# KiCad board ddr5-testboard.kicad_pcb (continued)
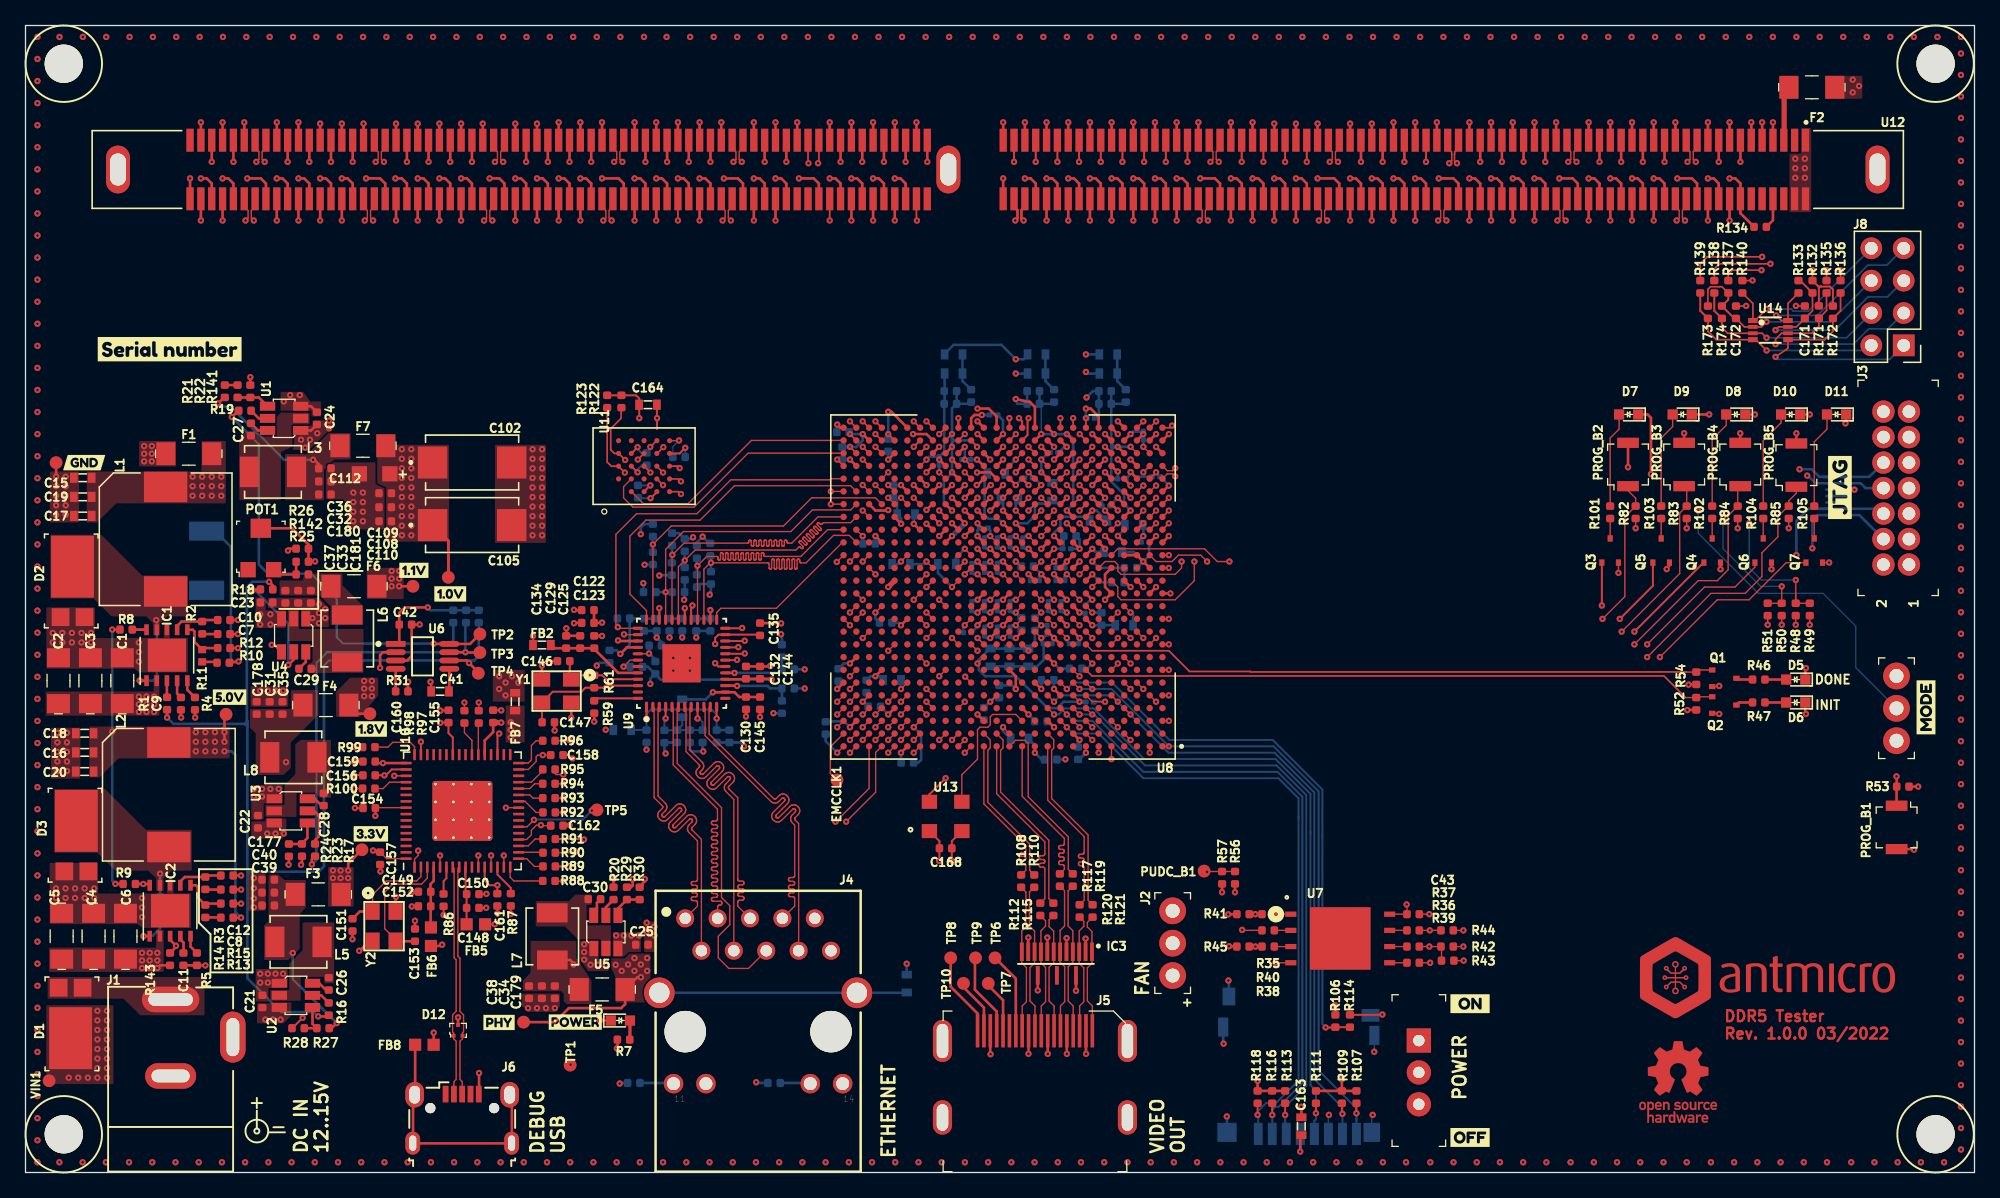
[diagram p0: board, top side]
## Routing (per net, layer and track width the routed paths; a pad name or vN(x,y) marks a point on that pad's centre or on a via; arc(x,y) is an arc through that point) (continued)
CB6_A: length 36.4
  Top w0.13: U8.AF7 v3(83.14,59.19)
  Top w0.2: U12.203 v3(90.25,74.7)
  In5.Cu w0.127: v3(83.14,59.19) 86.89,62.94 89.89,62.94 90.25,63.3 90.25,68.66 90.25,68.69 90.24,68.72 90.22,68.74 90.2,68.76 90.18,68.78 90.15,68.79 90.12,68.79 89.99,68.79 89.96,68.79 89.94,68.8 89.91,68.82 89.89,68.84 89.88,68.86 89.87,68.89 89.86,68.92 89.87,68.94 89.88,68.97 89.89,69 89.91,69.02 89.94,69.03 89.96,69.04 89.99,69.04 90.51,69.04 90.54,69.05 90.56,69.06 90.59,69.07 90.61,69.09 90.62,69.11 90.63,69.14 90.64,69.17 90.63,69.2 90.62,69.23 90.61,69.25 90.59,69.27 90.56,69.28 90.54,69.29 90.51,69.3 89.99,69.3 89.96,69.3 89.94,69.31 89.91,69.32 89.89,69.34 89.88,69.37 89.87,69.4 89.86,69.42 89.87,69.45 89.88,69.48 89.89,69.5 89.91,69.52 89.94,69.54 89.96,69.55 89.99,69.55 90.51,69.55 90.54,69.55 90.56,69.56 90.59,69.58 90.61,69.6 90.62,69.62 90.63,69.65 90.64,69.68 90.63,69.71 90.62,69.73 90.61,69.76 90.59,69.78 90.56,69.79 90.54,69.8 90.51,69.81 89.99,69.81 89.96,69.81 89.94,69.82 89.91,69.83 89.89,69.85 89.88,69.88 89.87,69.9 89.86,69.93 89.87,69.96 89.88,69.99 89.89,70.01 89.91,70.03 89.94,70.05 89.96,70.06 89.99,70.06 90.51,70.06 90.54,70.06 90.56,70.07 90.59,70.09 90.61,70.11 90.62,70.13 90.63,70.16 90.64,70.19 90.63,70.21 90.62,70.24 90.61,70.27 90.59,70.29 90.56,70.3 90.54,70.31 90.51,70.31 89.99,70.31 89.96,70.32 89.94,70.33 89.91,70.34 89.89,70.36 89.88,70.38 89.87,70.41 89.86,70.44 89.87,70.47 89.88,70.5 89.89,70.52 89.91,70.54 89.94,70.55 89.96,70.56 89.99,70.57 90.51,70.57 90.54,70.57 90.56,70.58 90.59,70.59 90.61,70.61 90.62,70.64 90.63,70.67 90.64,70.69 90.63,70.72 90.62,70.75 90.61,70.77 90.59,70.79 90.56,70.81 90.54,70.82 90.51,70.82 89.99,70.82 89.96,70.82 89.94,70.83 89.91,70.85 89.89,70.87 89.88,70.89 89.87,70.92 89.86,70.95 89.87,70.98 89.88,71 89.89,71.03 89.91,71.05 89.94,71.06 89.96,71.07 89.99,71.08 90.51,71.08 90.54,71.08 90.56,71.09 90.59,71.1 90.61,71.12 90.62,71.15 90.63,71.17 90.64,71.2 90.63,71.23 90.62,71.26 90.61,71.28 90.59,71.3 90.56,71.32 90.54,71.33 90.51,71.33 89.99,71.33 89.96,71.33 89.94,71.34 89.91,71.36 89.89,71.38 89.88,71.4 89.87,71.43 89.86,71.46 89.87,71.48 89.88,71.51 89.89,71.54 89.91,71.56 89.94,71.57 89.96,71.58 89.99,71.58 90.51,71.58 90.54,71.59 90.56,71.6 90.59,71.61 90.61,71.63 90.62,71.65 90.63,71.68 90.64,71.71 90.63,71.74 90.62,71.77 90.61,71.79 90.59,71.81 90.56,71.82 90.54,71.83 90.51,71.84 89.99,71.84 89.96,71.84 89.94,71.85 89.91,71.86 89.89,71.88 89.88,71.91 89.87,71.94 89.86,71.96 89.87,71.99 89.88,72.02 89.89,72.04 89.91,72.06 89.94,72.08 89.96,72.09 89.99,72.09 90.51,72.09 90.54,72.09 90.56,72.1 90.59,72.12 90.61,72.14 90.62,72.16 90.63,72.19 90.64,72.22 90.63,72.25 90.62,72.27 90.61,72.3 90.59,72.32 90.56,72.33 90.54,72.34 90.51,72.34 89.99,72.34 89.96,72.35 89.94,72.36 89.91,72.37 89.89,72.39 89.88,72.42 89.87,72.44 89.86,72.47 89.87,72.5 89.88,72.53 89.89,72.55 89.91,72.57 89.94,72.59 89.96,72.6 89.99,72.6 90.51,72.6 90.54,72.6 90.56,72.61 90.59,72.63 90.61,72.65 90.62,72.67 90.63,72.7 90.64,72.73 90.63,72.75 90.62,72.78 90.61,72.81 90.59,72.83 90.56,72.84 90.54,72.85 90.51,72.85 89.99,72.85 89.96,72.86 89.94,72.87 89.91,72.88 89.89,72.9 89.88,72.92 89.87,72.95 89.86,72.98 89.87,73.01 89.88,73.04 89.89,73.06 89.91,73.08 89.94,73.09 89.96,73.1 89.99,73.11 90.51,73.11 90.54,73.11 90.56,73.12 90.59,73.13 90.61,73.15 90.62,73.18 90.63,73.21 90.64,73.23 90.63,73.26 90.62,73.29 90.61,73.31 90.59,73.33 90.56,73.35 90.54,73.36 90.51,73.36 89.99,73.36 89.96,73.36 89.94,73.37 89.91,73.39 89.89,73.41 89.88,73.43 89.87,73.46 89.86,73.49 89.87,73.52 89.88,73.54 89.89,73.57 89.91,73.59 89.94,73.6 89.96,73.61 89.99,73.62 90.51,73.62 90.54,73.62 90.56,73.63 90.59,73.64 90.61,73.66 90.62,73.69 90.63,73.71 90.64,73.74 90.63,73.77 90.62,73.8 90.61,73.82 90.59,73.84 90.56,73.86 90.54,73.87 90.51,73.87 89.99,73.87 89.96,73.87 89.94,73.88 89.91,73.9 89.89,73.92 89.88,73.94 89.87,73.97 89.86,74 89.87,74.02 89.88,74.05 89.89,74.08 89.91,74.1 89.94,74.11 89.96,74.12 89.99,74.12 90.12,74.12 90.15,74.13 90.18,74.14 90.2,74.15 90.22,74.17 90.24,74.19 90.25,74.22 90.25,74.25 v3(90.25,74.7)
CB6_B: length 51.7
  Top w0.127: v3(80.64,52.94) U8.AA10
  Top w0.2: U12.234 v3(58.8,74.7)
  In5.Cu w0.127: v3(80.64,52.94) U8.AA10 79.39,53.44 79.14,53.69 79.14,54.44 78.64,54.94 78.64,56.19 80.14,57.69 80.14,64.94 75.39,69.69 59.14,69.69 58.8,70.03 58.8,71.15 58.8,71.18 58.79,71.21 58.77,71.23 58.75,71.25 58.73,71.27 58.7,71.28 58.67,71.28 58.54,71.28 58.51,71.28 58.48,71.29 58.46,71.31 58.44,71.33 58.42,71.35 58.41,71.38 58.41,71.41 58.41,71.43 58.42,71.46 58.44,71.49 58.46,71.51 58.48,71.52 58.51,71.53 58.54,71.53 59.06,71.53 59.09,71.54 59.12,71.55 59.14,71.56 59.16,71.58 59.18,71.6 59.19,71.63 59.19,71.66 59.19,71.69 59.18,71.72 59.16,71.74 59.14,71.76 59.12,71.77 59.09,71.78 59.06,71.79 58.54,71.79 58.51,71.79 58.48,71.8 58.46,71.81 58.44,71.83 58.42,71.86 58.41,71.89 58.41,71.91 58.41,71.94 58.42,71.97 58.44,71.99 58.46,72.01 58.48,72.03 58.51,72.04 58.54,72.04 59.06,72.04 59.09,72.04 59.12,72.05 59.14,72.07 59.16,72.09 59.18,72.11 59.19,72.14 59.19,72.17 59.19,72.2 59.18,72.22 59.16,72.25 59.14,72.27 59.12,72.28 59.09,72.29 59.06,72.3 58.54,72.3 58.51,72.3 58.48,72.31 58.46,72.32 58.44,72.34 58.42,72.37 58.41,72.39 58.41,72.42 58.41,72.45 58.42,72.48 58.44,72.5 58.46,72.52 58.48,72.54 58.51,72.55 58.54,72.55 59.06,72.55 59.09,72.55 59.12,72.56 59.14,72.58 59.16,72.6 59.18,72.62 59.19,72.65 59.19,72.68 59.19,72.7 59.18,72.73 59.16,72.76 59.14,72.78 59.12,72.79 59.09,72.8 59.06,72.8 58.54,72.8 58.51,72.81 58.48,72.82 58.46,72.83 58.44,72.85 58.42,72.87 58.41,72.9 58.41,72.93 58.41,72.96 58.42,72.99 58.44,73.01 58.46,73.03 58.48,73.04 58.51,73.05 58.54,73.06 59.06,73.06 59.09,73.06 59.12,73.07 59.14,73.08 59.16,73.1 59.18,73.13 59.19,73.16 59.19,73.18 59.19,73.21 59.18,73.24 59.16,73.26 59.14,73.28 59.12,73.3 59.09,73.31 59.06,73.31 58.54,73.31 58.51,73.31 58.48,73.32 58.46,73.34 58.44,73.36 58.42,73.38 58.41,73.41 58.41,73.44 58.41,73.47 58.42,73.49 58.44,73.52 58.46,73.54 58.48,73.55 58.51,73.56 58.54,73.56 59.06,73.56 59.09,73.57 59.12,73.58 59.14,73.59 59.16,73.61 59.18,73.64 59.19,73.66 59.19,73.69 59.19,73.72 59.18,73.75 59.16,73.77 59.14,73.79 59.12,73.81 59.09,73.82 59.06,73.82 58.54,73.82 58.51,73.82 58.48,73.83 58.46,73.85 58.44,73.87 58.42,73.89 58.41,73.92 58.41,73.95 58.41,73.97 58.42,74 58.44,74.03 58.46,74.05 58.48,74.06 58.51,74.07 58.54,74.07 58.67,74.07 58.7,74.08 58.73,74.09 58.75,74.1 58.77,74.12 58.79,74.14 58.8,74.17 58.8,74.2 v3(58.8,74.7)
CB7_A: length 36.4
  Top w0.13: v3(80.64,53.94) U8.AA9
  Top w0.2: U12.205 v3(88.55,74.7)
  In5.Cu w0.127: v3(80.64,53.94) 80.14,54.44 80.14,56.44 80.64,56.94 80.64,57.94 81.76,59.06 81.76,60.69 85.01,63.94 88.14,63.94 88.55,64.35 88.55,70.65 88.55,70.68 88.56,70.7 88.58,70.73 88.6,70.75 88.62,70.76 88.65,70.77 88.68,70.78 88.81,70.78 88.83,70.78 88.86,70.79 88.88,70.8 88.9,70.82 88.92,70.85 88.93,70.87 88.93,70.9 88.93,70.93 88.92,70.96 88.9,70.98 88.88,71 88.86,71.02 88.83,71.03 88.81,71.03 88.29,71.03 88.27,71.03 88.24,71.04 88.22,71.06 88.2,71.08 88.18,71.1 88.17,71.13 88.17,71.16 88.17,71.18 88.18,71.21 88.2,71.24 88.22,71.26 88.24,71.27 88.27,71.28 88.29,71.28 88.81,71.28 88.83,71.29 88.86,71.3 88.88,71.31 88.9,71.33 88.92,71.35 88.93,71.38 88.93,71.41 88.93,71.44 88.92,71.47 88.9,71.49 88.88,71.51 88.86,71.52 88.83,71.53 88.81,71.54 88.29,71.54 88.27,71.54 88.24,71.55 88.22,71.56 88.2,71.58 88.18,71.61 88.17,71.64 88.17,71.66 88.17,71.69 88.18,71.72 88.2,71.74 88.22,71.76 88.24,71.78 88.27,71.79 88.29,71.79 88.81,71.79 88.83,71.79 88.86,71.8 88.88,71.82 88.9,71.84 88.92,71.86 88.93,71.89 88.93,71.92 88.93,71.95 88.92,71.97 88.9,72 88.88,72.02 88.86,72.03 88.83,72.04 88.81,72.05 88.29,72.05 88.27,72.05 88.24,72.06 88.22,72.07 88.2,72.09 88.18,72.12 88.17,72.14 88.17,72.17 88.17,72.2 88.18,72.23 88.2,72.25 88.22,72.27 88.24,72.29 88.27,72.3 88.29,72.3 88.81,72.3 88.83,72.3 88.86,72.31 88.88,72.33 88.9,72.35 88.92,72.37 88.93,72.4 88.93,72.43 88.93,72.45 88.92,72.48 88.9,72.51 88.88,72.53 88.86,72.54 88.83,72.55 88.81,72.55 88.29,72.55 88.27,72.56 88.24,72.57 88.22,72.58 88.2,72.6 88.18,72.62 88.17,72.65 88.17,72.68 88.17,72.71 88.18,72.74 88.2,72.76 88.22,72.78 88.24,72.79 88.27,72.8 88.29,72.81 88.81,72.81 88.83,72.81 88.86,72.82 88.88,72.83 88.9,72.85 88.92,72.88 88.93,72.91 88.93,72.93 88.93,72.96 88.92,72.99 88.9,73.01 88.88,73.03 88.86,73.05 88.83,73.06 88.81,73.06 88.29,73.06 88.27,73.06 88.24,73.07 88.22,73.09 88.2,73.11 88.18,73.13 88.17,73.16 88.17,73.19 88.17,73.22 88.18,73.24 88.2,73.27 88.22,73.29 88.24,73.3 88.27,73.31 88.29,73.31 88.81,73.31 88.83,73.32 88.86,73.33 88.88,73.34 88.9,73.36 88.92,73.39 88.93,73.41 88.93,73.44 88.93,73.47 88.92,73.5 88.9,73.52 88.88,73.54 88.86,73.56 88.83,73.57 88.81,73.57 88.29,73.57 88.27,73.57 88.24,73.58 88.22,73.6 88.2,73.62 88.18,73.64 88.17,73.67 88.17,73.7 88.17,73.72 88.18,73.75 88.2,73.78 88.22,73.8 88.24,73.81 88.27,73.82 88.29,73.82 88.42,73.82 88.45,73.83 88.48,73.84 88.5,73.85 88.52,73.87 88.54,73.89 88.55,73.92 88.55,73.95 v3(88.55,74.7)
CB7_B: length 51.6
  Top w0.13: U8.Y12 v3(78.64,52.94)
  Top w0.2: U12.236 v3(57.1,74.7)
  In5.Cu w0.127: v3(57.1,74.7) 57.1,74.2 57.1,74.17 57.09,74.14 57.07,74.12 57.05,74.1 57.03,74.09 57,74.08 56.97,74.07 56.83,74.07 56.8,74.07 56.77,74.06 56.75,74.05 56.73,74.03 56.71,74 56.7,73.97 56.7,73.95 56.7,73.92 56.71,73.89 56.73,73.87 56.75,73.85 56.77,73.83 56.8,73.82 56.83,73.82 57.37,73.82 57.4,73.82 57.43,73.81 57.45,73.79 57.47,73.77 57.49,73.75 57.5,73.72 57.5,73.69 57.5,73.66 57.49,73.64 57.47,73.61 57.45,73.59 57.43,73.58 57.4,73.57 57.37,73.56 56.83,73.56 56.8,73.56 56.77,73.55 56.75,73.54 56.73,73.52 56.71,73.49 56.7,73.47 56.7,73.44 56.7,73.41 56.71,73.38 56.73,73.36 56.75,73.34 56.77,73.32 56.8,73.31 56.83,73.31 57.37,73.31 57.4,73.31 57.43,73.3 57.45,73.28 57.47,73.26 57.49,73.24 57.5,73.21 57.5,73.18 57.5,73.16 57.49,73.13 57.47,73.1 57.45,73.08 57.43,73.07 57.4,73.06 57.37,73.06 56.83,73.06 56.8,73.05 56.77,73.04 56.75,73.03 56.73,73.01 56.71,72.99 56.7,72.96 56.7,72.93 56.7,72.9 56.71,72.87 56.73,72.85 56.75,72.83 56.77,72.82 56.8,72.81 56.83,72.8 57.37,72.8 57.4,72.8 57.43,72.79 57.45,72.78 57.47,72.76 57.49,72.73 57.5,72.7 57.5,72.68 57.5,72.65 57.49,72.62 57.47,72.6 57.45,72.58 57.43,72.56 57.4,72.55 57.37,72.55 56.83,72.55 56.8,72.55 56.77,72.54 56.75,72.52 56.73,72.5 56.71,72.48 56.7,72.45 56.7,72.42 56.7,72.39 56.71,72.37 56.73,72.34 56.75,72.32 56.77,72.31 56.8,72.3 56.83,72.3 57.37,72.3 57.4,72.29 57.43,72.28 57.45,72.27 57.47,72.25 57.49,72.22 57.5,72.2 57.5,72.17 57.5,72.14 57.49,72.11 57.47,72.09 57.45,72.07 57.43,72.05 57.4,72.04 57.37,72.04 56.83,72.04 56.8,72.04 56.77,72.03 56.75,72.01 56.73,71.99 56.71,71.97 56.7,71.94 56.7,71.91 56.7,71.89 56.71,71.86 56.73,71.83 56.75,71.81 56.77,71.8 56.8,71.79 56.83,71.79 57.37,71.79 57.4,71.78 57.43,71.77 57.45,71.76 57.47,71.74 57.49,71.72 57.5,71.69 57.5,71.66 57.5,71.63 57.49,71.6 57.47,71.58 57.45,71.56 57.43,71.55 57.4,71.54 57.37,71.53 56.83,71.53 56.8,71.53 56.77,71.52 56.75,71.51 56.73,71.49 56.71,71.46 56.7,71.43 56.7,71.41 56.7,71.38 56.71,71.35 56.73,71.33 56.75,71.31 56.77,71.29 56.8,71.28 56.83,71.28 56.97,71.28 57,71.28 57.03,71.27 57.05,71.25 57.07,71.23 57.09,71.21 57.1,71.18 57.1,71.15 57.1,68.98 57.39,68.69 74.89,68.69 79.14,64.44 79.14,58.94 78.14,57.94 78.14,53.44 v3(78.64,52.94)
CCLK: length 42.2
  Top w0.1: U8.C8 v1(82.64,34.94) ; R43.1 111.01,17.69 110.97,17.73 v1(110.06,17.73) R36.2
  In9.Cu w0.1: v1(82.64,34.94) 83.64,33.94 83.64,30.64 84.84,29.44 93.04,29.44 102.74,19.74 110.39,19.74 110.74,19.39 110.74,17.99 110.48,17.73 v1(110.06,17.73)
CFGBVS: length 2.5
  Top w0.2: U8.P7 v1(83.64,46.94)
  Bottom w0.2: v1(83.64,46.94) 84.26,46.31 R55.2
CK_N: length 41.4
  Top w0.213: v1(77.6,74.7) 77.77,74.87 77.77,75.52 77.5,75.78 U12.218 ; v1(80.64,55.94) U8.AD9
  In9.Cu w0.305: v1(80.64,55.94) 80.91,55.67 81.5,55.67 82.72,56.89 82.72,57.86 82.01,58.56 81.96,58.61 81.9,58.64 81.83,58.65 81.76,58.65 81.7,58.64 81.64,58.61 81.58,58.56 81.56,58.54 81.51,58.5 81.44,58.47 81.38,58.45 81.31,58.45 81.24,58.47 81.18,58.5 81.13,58.54 81.09,58.59 81.06,58.66 81.04,58.72 81.04,58.79 81.06,58.86 81.09,58.92 81.13,58.97 81.15,58.99 81.19,59.05 81.22,59.11 81.24,59.18 81.24,59.24 81.22,59.31 81.19,59.37 81.15,59.43 80.52,60.06 80.52,61.54 80.51,61.61 80.49,61.68 80.45,61.73 80.41,61.78 80.35,61.82 80.28,61.84 80.22,61.85 79.89,61.85 79.73,61.87 79.58,61.92 79.44,62.01 79.33,62.12 79.24,62.26 79.19,62.41 79.17,62.57 79.17,62.66 79.19,62.81 79.24,62.97 79.33,63.1 79.44,63.22 79.58,63.3 79.73,63.36 79.89,63.37 81.57,63.37 81.64,63.38 81.7,63.4 81.76,63.44 81.81,63.49 81.84,63.55 81.87,63.61 81.87,63.68 81.87,63.75 81.84,63.81 81.81,63.87 81.76,63.92 81.7,63.95 81.64,63.97 81.57,63.98 79.89,63.98 79.73,64 79.58,64.05 79.44,64.14 79.33,64.25 79.24,64.39 79.19,64.54 79.17,64.7 79.17,64.79 79.19,64.95 79.24,65.1 79.33,65.24 79.44,65.35 79.58,65.44 79.73,65.49 79.89,65.51 81.57,65.51 81.64,65.51 81.7,65.54 81.76,65.57 81.81,65.62 81.84,65.68 81.87,65.74 81.87,65.81 81.87,65.88 81.84,65.94 81.81,66 81.76,66.05 81.7,66.09 81.64,66.11 81.57,66.12 79.89,66.12 79.73,66.13 79.58,66.19 79.44,66.27 79.33,66.39 79.24,66.52 79.19,66.67 79.17,66.83 79.17,66.92 79.19,67.08 79.24,67.23 79.33,67.37 79.44,67.48 79.58,67.57 79.73,67.62 79.89,67.64 81.57,67.64 81.64,67.65 81.7,67.67 81.76,67.71 81.81,67.75 81.84,67.81 81.87,67.88 81.87,67.94 81.87,68.01 81.84,68.08 81.81,68.14 81.76,68.18 81.7,68.22 81.64,68.24 81.57,68.25 79.89,68.25 79.73,68.27 79.58,68.32 79.44,68.41 79.33,68.52 79.24,68.66 79.19,68.81 79.17,68.97 79.17,69.06 79.19,69.22 79.24,69.37 79.33,69.5 79.44,69.62 79.58,69.7 79.73,69.76 79.89,69.77 80.22,69.77 80.28,69.78 80.35,69.8 80.41,69.84 80.45,69.89 80.49,69.95 80.51,70.01 80.52,70.08 80.52,70.86 77.7,73.68 77.7,74.6 v1(77.6,74.7)
CK_P: length 41.4
  Top w0.213: v1(78.25,74.7) 78.08,74.87 78.08,75.52 78.35,75.78 U12.217 ; v1(80.64,54.94) U8.AC9
  In9.Cu w0.305: v1(78.25,74.7) 78.15,74.6 78.15,73.87 80.98,71.04 80.98,70.03 80.96,69.87 80.91,69.72 80.82,69.59 80.71,69.47 80.57,69.39 80.42,69.33 80.26,69.32 79.93,69.32 79.86,69.31 79.8,69.29 79.74,69.25 79.69,69.2 79.66,69.14 79.63,69.08 79.63,69.01 79.63,68.94 79.66,68.88 79.69,68.82 79.74,68.77 79.8,68.74 79.86,68.71 79.93,68.71 81.61,68.71 81.77,68.69 81.92,68.64 82.06,68.55 82.17,68.44 82.26,68.3 82.31,68.15 82.33,67.99 82.33,67.9 82.31,67.74 82.26,67.59 82.17,67.45 82.06,67.34 81.92,67.25 81.77,67.2 81.61,67.18 79.93,67.18 79.86,67.18 79.8,67.15 79.74,67.12 79.69,67.07 79.66,67.01 79.63,66.95 79.63,66.88 79.63,66.81 79.66,66.75 79.69,66.69 79.74,66.64 79.8,66.6 79.86,66.58 79.93,66.57 81.61,66.57 81.77,66.56 81.92,66.5 82.06,66.42 82.17,66.3 82.26,66.17 82.31,66.02 82.33,65.86 82.33,65.77 82.31,65.61 82.26,65.46 82.17,65.32 82.06,65.21 81.92,65.12 81.77,65.07 81.61,65.05 79.93,65.05 79.86,65.04 79.8,65.02 79.74,64.98 79.69,64.93 79.66,64.88 79.63,64.81 79.63,64.74 79.63,64.68 79.66,64.61 79.69,64.55 79.74,64.51 79.8,64.47 79.86,64.45 79.93,64.44 81.61,64.44 81.77,64.42 81.92,64.37 82.06,64.28 82.17,64.17 82.26,64.03 82.31,63.88 82.33,63.72 82.33,63.63 82.31,63.47 82.26,63.32 82.17,63.19 82.06,63.07 81.92,62.99 81.77,62.93 81.61,62.92 79.93,62.92 79.86,62.91 79.8,62.89 79.74,62.85 79.69,62.8 79.66,62.74 79.63,62.68 79.63,62.61 79.63,62.54 79.66,62.48 79.69,62.42 79.74,62.37 79.8,62.34 79.86,62.31 79.93,62.31 80.26,62.31 80.42,62.29 80.57,62.24 80.71,62.15 80.82,62.04 80.91,61.9 80.96,61.75 80.98,61.59 80.98,60.24 83.18,58.04 83.18,56.71 81.68,55.21 80.91,55.21 v1(80.64,54.94)
CS0_A_N: length 41.4
  Top w0.1: U8.AA2 v1(88.64,53.9)
  Top w0.15: U12.64 v1(86,79.3)
  In9.Cu w0.13: v1(86,79.3) 86,78.9 86.05,78.85 86.05,78.65 86.05,78.62 86.04,78.59 86.02,78.57 86,78.55 85.98,78.53 85.95,78.52 85.92,78.52 85.79,78.52 85.77,78.52 85.74,78.51 85.71,78.49 85.69,78.47 85.68,78.45 85.67,78.42 85.66,78.39 85.67,78.36 85.68,78.33 85.69,78.31 85.71,78.29 85.74,78.27 85.77,78.26 85.79,78.26 86.26,78.26 86.29,78.26 86.31,78.25 86.34,78.23 86.36,78.21 86.38,78.19 86.39,78.16 86.39,78.13 86.39,78.1 86.38,78.07 86.36,78.05 86.34,78.03 86.31,78.01 86.29,78 86.26,78 85.79,78 85.77,78 85.74,77.99 85.71,77.97 85.69,77.95 85.68,77.93 85.67,77.9 85.66,77.87 85.67,77.84 85.68,77.81 85.69,77.79 85.71,77.77 85.74,77.75 85.77,77.74 85.79,77.74 86.31,77.74 86.34,77.74 86.36,77.73 86.39,77.71 86.41,77.69 86.43,77.67 86.44,77.64 86.44,77.61 86.44,77.58 86.43,77.55 86.41,77.53 86.39,77.51 86.36,77.49 86.34,77.48 86.31,77.48 85.79,77.48 85.77,77.48 85.74,77.47 85.71,77.45 85.69,77.43 85.68,77.41 85.67,77.38 85.66,77.35 85.67,77.32 85.68,77.29 85.69,77.27 85.71,77.25 85.74,77.23 85.77,77.22 85.79,77.22 86.31,77.22 86.34,77.22 86.36,77.21 86.39,77.19 86.41,77.17 86.43,77.15 86.44,77.12 86.44,77.09 86.44,77.06 86.43,77.03 86.41,77.01 86.39,76.99 86.36,76.97 86.34,76.96 86.31,76.96 85.79,76.96 85.77,76.96 85.74,76.95 85.71,76.93 85.69,76.91 85.68,76.89 85.67,76.86 85.66,76.83 85.67,76.8 85.68,76.77 85.69,76.75 85.71,76.73 85.74,76.71 85.77,76.7 85.79,76.7 86.31,76.7 86.34,76.7 86.36,76.69 86.39,76.67 86.41,76.65 86.43,76.63 86.44,76.6 86.44,76.57 86.44,76.54 86.43,76.51 86.41,76.49 86.39,76.47 86.36,76.45 86.34,76.44 86.31,76.44 85.79,76.44 85.77,76.44 85.74,76.43 85.71,76.41 85.69,76.39 85.68,76.37 85.67,76.34 85.66,76.31 85.67,76.28 85.68,76.25 85.69,76.23 85.71,76.21 85.74,76.19 85.77,76.18 85.79,76.18 86.31,76.18 86.34,76.18 86.36,76.17 86.39,76.15 86.41,76.13 86.43,76.11 86.44,76.08 86.44,76.05 86.44,76.02 86.43,75.99 86.41,75.97 86.39,75.95 86.36,75.93 86.34,75.92 86.31,75.92 85.79,75.92 85.77,75.92 85.74,75.91 85.71,75.89 85.69,75.87 85.68,75.85 85.67,75.82 85.66,75.79 85.67,75.76 85.68,75.73 85.69,75.71 85.71,75.69 85.74,75.67 85.77,75.66 85.79,75.66 86.31,75.66 86.34,75.66 86.36,75.65 86.39,75.63 86.41,75.61 86.43,75.59 86.44,75.56 86.44,75.53 86.44,75.5 86.43,75.47 86.41,75.45 86.39,75.43 86.36,75.41 86.34,75.4 86.31,75.4 85.79,75.4 85.77,75.4 85.74,75.39 85.71,75.37 85.69,75.35 85.68,75.33 85.67,75.3 85.66,75.27 85.67,75.24 85.68,75.21 85.69,75.19 85.71,75.17 85.74,75.15 85.77,75.14 85.79,75.14 86.31,75.14 86.34,75.14 86.36,75.13 86.39,75.11 86.41,75.09 86.43,75.07 86.44,75.04 86.44,75.01 86.44,74.98 86.43,74.95 86.41,74.93 86.39,74.91 86.36,74.89 86.34,74.88 86.31,74.88 85.79,74.88 85.77,74.88 85.74,74.87 85.71,74.85 85.69,74.83 85.68,74.81 85.67,74.78 85.66,74.75 85.67,74.72 85.68,74.69 85.69,74.67 85.71,74.65 85.74,74.63 85.77,74.62 85.79,74.62 86.31,74.62 86.34,74.62 86.36,74.61 86.39,74.59 86.41,74.57 86.43,74.55 86.44,74.52 86.44,74.49 86.44,74.46 86.43,74.43 86.41,74.41 86.39,74.39 86.36,74.37 86.34,74.36 86.31,74.36 85.79,74.36 85.77,74.36 85.74,74.35 85.71,74.33 85.69,74.31 85.68,74.29 85.67,74.26 85.66,74.23 85.67,74.2 85.68,74.17 85.69,74.15 85.71,74.13 85.74,74.11 85.77,74.1 85.79,74.1 86.31,74.1 86.34,74.1 86.36,74.09 86.39,74.07 86.41,74.05 86.43,74.03 86.44,74 86.44,73.97 86.44,73.94 86.43,73.91 86.41,73.89 86.39,73.87 86.36,73.85 86.34,73.84 86.31,73.84 86.18,73.84 86.15,73.84 86.12,73.83 86.1,73.81 86.08,73.79 86.06,73.77 86.05,73.74 86.05,73.71 86.05,56.65 86.25,56.45 87.6,56.45 88.64,55.41 v1(88.64,53.9)
CS0_B_N: length 41.4
  Top w0.13: v4(78.64,55.94) U8.AC11
  Top w0.2: U12.84 v4(63.9,79.3)
  In2.Cu w0.127: v4(63.9,79.3) 63.9,78.7 63.9,78.67 63.89,78.64 63.87,78.62 63.85,78.6 63.83,78.59 63.8,78.58 63.77,78.57 63.66,78.57 63.63,78.57 63.61,78.56 63.58,78.55 63.56,78.53 63.55,78.5 63.54,78.47 63.53,78.45 63.54,78.42 63.55,78.39 63.56,78.37 63.58,78.35 63.61,78.33 63.63,78.32 63.66,78.32 64.14,78.32 64.17,78.32 64.19,78.31 64.22,78.29 64.24,78.27 64.25,78.25 64.26,78.22 64.27,78.19 64.26,78.16 64.25,78.14 64.24,78.11 64.22,78.09 64.19,78.08 64.17,78.07 64.14,78.06 63.66,78.06 63.63,78.06 63.61,78.05 63.58,78.04 63.56,78.02 63.55,77.99 63.54,77.97 63.53,77.94 63.54,77.91 63.55,77.88 63.56,77.86 63.58,77.84 63.61,77.82 63.63,77.81 63.66,77.81 64.14,77.81 64.17,77.81 64.19,77.8 64.22,77.78 64.24,77.76 64.25,77.74 64.26,77.71 64.27,77.68 64.26,77.66 64.25,77.63 64.24,77.6 64.22,77.58 64.19,77.57 64.17,77.56 64.14,77.56 63.66,77.56 63.63,77.55 63.61,77.54 63.58,77.53 63.56,77.51 63.55,77.49 63.54,77.46 63.53,77.43 63.54,77.4 63.55,77.37 63.56,77.35 63.58,77.33 63.61,77.32 63.63,77.31 63.66,77.3 64.14,77.3 64.17,77.3 64.19,77.29 64.22,77.28 64.24,77.26 64.25,77.23 64.26,77.2 64.27,77.18 64.26,77.15 64.25,77.12 64.24,77.1 64.22,77.08 64.19,77.06 64.17,77.05 64.14,77.05 64.03,77.05 64,77.05 63.97,77.04 63.95,77.02 63.93,77 63.91,76.98 63.9,76.95 63.9,76.92 63.9,68.93 64.14,68.69 73.64,68.69 76.51,65.81 76.51,59.06 77.14,58.44 77.14,57.69 77.39,57.44 77.89,57.44 78.14,57.19 78.14,56.44 v4(78.64,55.94)
CS1_A_N: length 41.4
  Top w0.13: U8.AA3 v1(87.64,53.9)
  Top w0.2: U12.209 v1(85.15,74.7)
  In9.Cu w0.13: v1(85.15,74.7) 85.15,74.25 85.15,74.22 85.14,74.19 85.12,74.17 85.1,74.15 85.08,74.13 85.05,74.12 85.02,74.12 84.89,74.12 84.86,74.12 84.83,74.11 84.81,74.09 84.79,74.07 84.77,74.05 84.76,74.02 84.76,73.99 84.76,73.96 84.77,73.93 84.79,73.91 84.81,73.89 84.83,73.87 84.86,73.86 84.89,73.86 85.41,73.86 85.44,73.86 85.47,73.85 85.49,73.83 85.51,73.81 85.53,73.79 85.54,73.76 85.54,73.73 85.54,73.7 85.53,73.67 85.51,73.65 85.49,73.63 85.47,73.61 85.44,73.6 85.41,73.6 84.89,73.6 84.86,73.6 84.83,73.59 84.81,73.57 84.79,73.55 84.77,73.53 84.76,73.5 84.76,73.47 84.76,73.44 84.77,73.41 84.79,73.39 84.81,73.37 84.83,73.35 84.86,73.34 84.89,73.34 85.41,73.34 85.44,73.34 85.47,73.33 85.49,73.31 85.51,73.29 85.53,73.27 85.54,73.24 85.54,73.21 85.54,73.18 85.53,73.15 85.51,73.13 85.49,73.11 85.47,73.09 85.44,73.08 85.41,73.08 84.89,73.08 84.86,73.08 84.83,73.07 84.81,73.05 84.79,73.03 84.77,73.01 84.76,72.98 84.76,72.95 84.76,72.92 84.77,72.89 84.79,72.87 84.81,72.85 84.83,72.83 84.86,72.82 84.89,72.82 85.41,72.82 85.44,72.82 85.47,72.81 85.49,72.79 85.51,72.77 85.53,72.75 85.54,72.72 85.54,72.69 85.54,72.66 85.53,72.63 85.51,72.61 85.49,72.59 85.47,72.57 85.44,72.56 85.41,72.56 84.89,72.56 84.86,72.56 84.83,72.55 84.81,72.53 84.79,72.51 84.77,72.49 84.76,72.46 84.76,72.43 84.76,72.4 84.77,72.37 84.79,72.35 84.81,72.33 84.83,72.31 84.86,72.3 84.89,72.3 85.41,72.3 85.44,72.3 85.47,72.29 85.49,72.27 85.51,72.25 85.53,72.23 85.54,72.2 85.54,72.17 85.54,72.14 85.53,72.11 85.51,72.09 85.49,72.07 85.47,72.05 85.44,72.04 85.41,72.04 84.89,72.04 84.86,72.04 84.83,72.03 84.81,72.01 84.79,71.99 84.77,71.97 84.76,71.94 84.76,71.91 84.76,71.88 84.77,71.85 84.79,71.83 84.81,71.81 84.83,71.79 84.86,71.78 84.89,71.78 85.41,71.78 85.44,71.78 85.47,71.77 85.49,71.75 85.51,71.73 85.53,71.71 85.54,71.68 85.54,71.65 85.54,71.62 85.53,71.59 85.51,71.57 85.49,71.55 85.47,71.53 85.44,71.52 85.41,71.52 84.89,71.52 84.86,71.52 84.83,71.51 84.81,71.49 84.79,71.47 84.77,71.45 84.76,71.42 84.76,71.39 84.76,71.36 84.77,71.33 84.79,71.31 84.81,71.29 84.83,71.27 84.86,71.26 84.89,71.26 85.41,71.26 85.44,71.26 85.47,71.25 85.49,71.23 85.51,71.21 85.53,71.19 85.54,71.16 85.54,71.13 85.54,71.1 85.53,71.07 85.51,71.05 85.49,71.03 85.47,71.01 85.44,71 85.41,71 84.89,71 84.86,71 84.83,70.99 84.81,70.97 84.79,70.95 84.77,70.93 84.76,70.9 84.76,70.87 84.76,70.84 84.77,70.81 84.79,70.79 84.81,70.77 84.83,70.75 84.86,70.74 84.89,70.74 85.41,70.74 85.44,70.74 85.47,70.73 85.49,70.71 85.51,70.69 85.53,70.67 85.54,70.64 85.54,70.61 85.54,70.58 85.53,70.55 85.51,70.53 85.49,70.51 85.47,70.49 85.44,70.48 85.41,70.48 84.89,70.48 84.86,70.48 84.83,70.47 84.81,70.45 84.79,70.43 84.77,70.41 84.76,70.38 84.76,70.35 84.76,70.32 84.77,70.29 84.79,70.27 84.81,70.25 84.83,70.23 84.86,70.22 84.89,70.22 85.41,70.22 85.44,70.22 85.47,70.21 85.49,70.19 85.51,70.17 85.53,70.15 85.54,70.12 85.54,70.09 85.54,70.06 85.53,70.03 85.51,70.01 85.49,69.99 85.47,69.97 85.44,69.96 85.41,69.96 84.89,69.96 84.86,69.96 84.83,69.95 84.81,69.93 84.79,69.91 84.77,69.89 84.76,69.86 84.76,69.83 84.76,69.8 84.77,69.77 84.79,69.75 84.81,69.73 84.83,69.71 84.86,69.7 84.89,69.7 85.41,69.7 85.44,69.7 85.47,69.69 85.49,69.67 85.51,69.65 85.53,69.63 85.54,69.6 85.54,69.57 85.54,69.54 85.53,69.51 85.51,69.49 85.49,69.47 85.47,69.45 85.44,69.44 85.41,69.44 84.89,69.44 84.86,69.44 84.83,69.43 84.81,69.41 84.79,69.39 84.77,69.37 84.76,69.34 84.76,69.31 84.76,69.28 84.77,69.25 84.79,69.23 84.81,69.21 84.83,69.19 84.86,69.18 84.89,69.18 85.41,69.18 85.44,69.18 85.47,69.17 85.49,69.15 85.51,69.13 85.53,69.11 85.54,69.08 85.54,69.05 85.54,69.02 85.53,68.99 85.51,68.97 85.49,68.95 85.47,68.93 85.44,68.92 85.41,68.92 84.89,68.92 84.86,68.92 84.83,68.91 84.81,68.89 84.79,68.87 84.77,68.85 84.76,68.82 84.76,68.79 84.76,68.76 84.77,68.73 84.79,68.71 84.81,68.69 84.83,68.67 84.86,68.66 84.89,68.66 85.41,68.66 85.44,68.66 85.47,68.65 85.49,68.63 85.51,68.61 85.53,68.59 85.54,68.56 85.54,68.53 85.54,68.5 85.53,68.47 85.51,68.45 85.49,68.43 85.47,68.41 85.44,68.4 85.41,68.4 84.89,68.4 84.86,68.4 84.83,68.39 84.81,68.37 84.79,68.35 84.77,68.33 84.76,68.3 84.76,68.27 84.76,68.24 84.77,68.21 84.79,68.19 84.81,68.17 84.83,68.15 84.86,68.14 84.89,68.14 85.02,68.14 85.05,68.14 85.08,68.13 85.1,68.11 85.12,68.09 85.14,68.07 85.15,68.04 85.15,68.01 85.15,53.85 85.52,53.48 87.22,53.48 v1(87.64,53.9)
CS1_B_N: length 41.4
  Top w0.127: U12.229 v4(63.05,74.7) ; U8.AB11 v4(78.64,54.94)
  In2.Cu w0.127: v4(78.64,54.94) 78.14,55.44 77.39,55.44 77.14,55.69 77.14,57.19 76.89,57.44 76.39,57.44 76.14,57.69 76.14,65.44 73.39,68.19 63.39,68.19 63.05,68.53 63.05,70.59 63.05,70.62 63.04,70.65 63.02,70.67 63,70.69 62.98,70.71 62.95,70.72 62.92,70.72 62.88,70.72 62.85,70.72 62.83,70.73 62.8,70.75 62.78,70.77 62.77,70.79 62.76,70.82 62.75,70.85 62.76,70.88 62.77,70.9 62.78,70.93 62.8,70.95 62.83,70.96 62.85,70.97 62.88,70.97 63.22,70.97 63.25,70.98 63.27,70.99 63.3,71 63.32,71.02 63.33,71.05 63.34,71.07 63.35,71.1 63.34,71.13 63.33,71.16 63.32,71.18 63.3,71.2 63.27,71.22 63.25,71.23 63.22,71.23 62.88,71.23 62.85,71.23 62.83,71.24 62.8,71.26 62.78,71.28 62.77,71.3 62.76,71.33 62.75,71.36 62.76,71.38 62.77,71.41 62.78,71.44 62.8,71.46 62.83,71.47 62.85,71.48 62.88,71.48 63.22,71.48 63.25,71.49 63.27,71.5 63.3,71.51 63.32,71.53 63.33,71.55 63.34,71.58 63.35,71.61 63.34,71.64 63.33,71.67 63.32,71.69 63.3,71.71 63.27,71.72 63.25,71.73 63.22,71.74 62.88,71.74 62.85,71.74 62.83,71.75 62.8,71.76 62.78,71.78 62.77,71.81 62.76,71.84 62.75,71.86 62.76,71.89 62.77,71.92 62.78,71.94 62.8,71.96 62.83,71.98 62.85,71.99 62.88,71.99 63.22,71.99 63.25,71.99 63.27,72 63.3,72.02 63.32,72.04 63.33,72.06 63.34,72.09 63.35,72.12 63.34,72.15 63.33,72.17 63.32,72.2 63.3,72.22 63.27,72.23 63.25,72.24 63.22,72.25 62.88,72.25 62.85,72.25 62.83,72.26 62.8,72.27 62.78,72.29 62.77,72.32 62.76,72.34 62.75,72.37 62.76,72.4 62.77,72.43 62.78,72.45 62.8,72.47 62.83,72.49 62.85,72.5 62.88,72.5 63.22,72.5 63.25,72.5 63.27,72.51 63.3,72.53 63.32,72.55 63.33,72.57 63.34,72.6 63.35,72.63 63.34,72.65 63.33,72.68 63.32,72.71 63.3,72.73 63.27,72.74 63.25,72.75 63.22,72.75 62.88,72.75 62.85,72.76 62.83,72.77 62.8,72.78 62.78,72.8 62.77,72.82 62.76,72.85 62.75,72.88 62.76,72.91 62.77,72.94 62.78,72.96 62.8,72.98 62.83,72.99 62.85,73 62.88,73.01 63.22,73.01 63.25,73.01 63.27,73.02 63.3,73.03 63.32,73.05 63.33,73.08 63.34,73.11 63.35,73.13 63.34,73.16 63.33,73.19 63.32,73.21 63.3,73.23 63.27,73.25 63.25,73.26 63.22,73.26 62.88,73.26 62.85,73.26 62.83,73.27 62.8,73.29 62.78,73.31 62.77,73.33 62.76,73.36 62.75,73.39 62.76,73.42 62.77,73.44 62.78,73.47 62.8,73.49 62.83,73.5 62.85,73.51 62.88,73.52 63.22,73.52 63.25,73.52 63.27,73.53 63.3,73.54 63.32,73.56 63.33,73.59 63.34,73.61 63.35,73.64 63.34,73.67 63.33,73.7 63.32,73.72 63.3,73.74 63.27,73.76 63.25,73.77 63.22,73.77 62.88,73.77 62.85,73.77 62.83,73.78 62.8,73.8 62.78,73.82 62.77,73.84 62.76,73.87 62.75,73.9 62.76,73.92 62.77,73.95 62.78,73.98 62.8,74 62.83,74.01 62.85,74.02 62.88,74.02 62.92,74.02 62.95,74.03 62.98,74.04 63,74.05 63.02,74.07 63.04,74.09 63.05,74.12 63.05,74.15 v4(63.05,74.7)